# Altium PCB X98_CARRIER_V1R2_12082022.PcbDoc (part 9 of 10)
Units mm, origin at the board's own origin, x right, y up, seen from the top; angles counter-clockwise.
Board outline 100 x 72 mm, 4 copper layers (Top Layer, Layer 1, Layer 2, Bottom Layer), stack 1.543 mm thick; 772 components, 527 nets, 2344 pads, 1194 vias.
Unrouted connection lines stored in the file: 58.
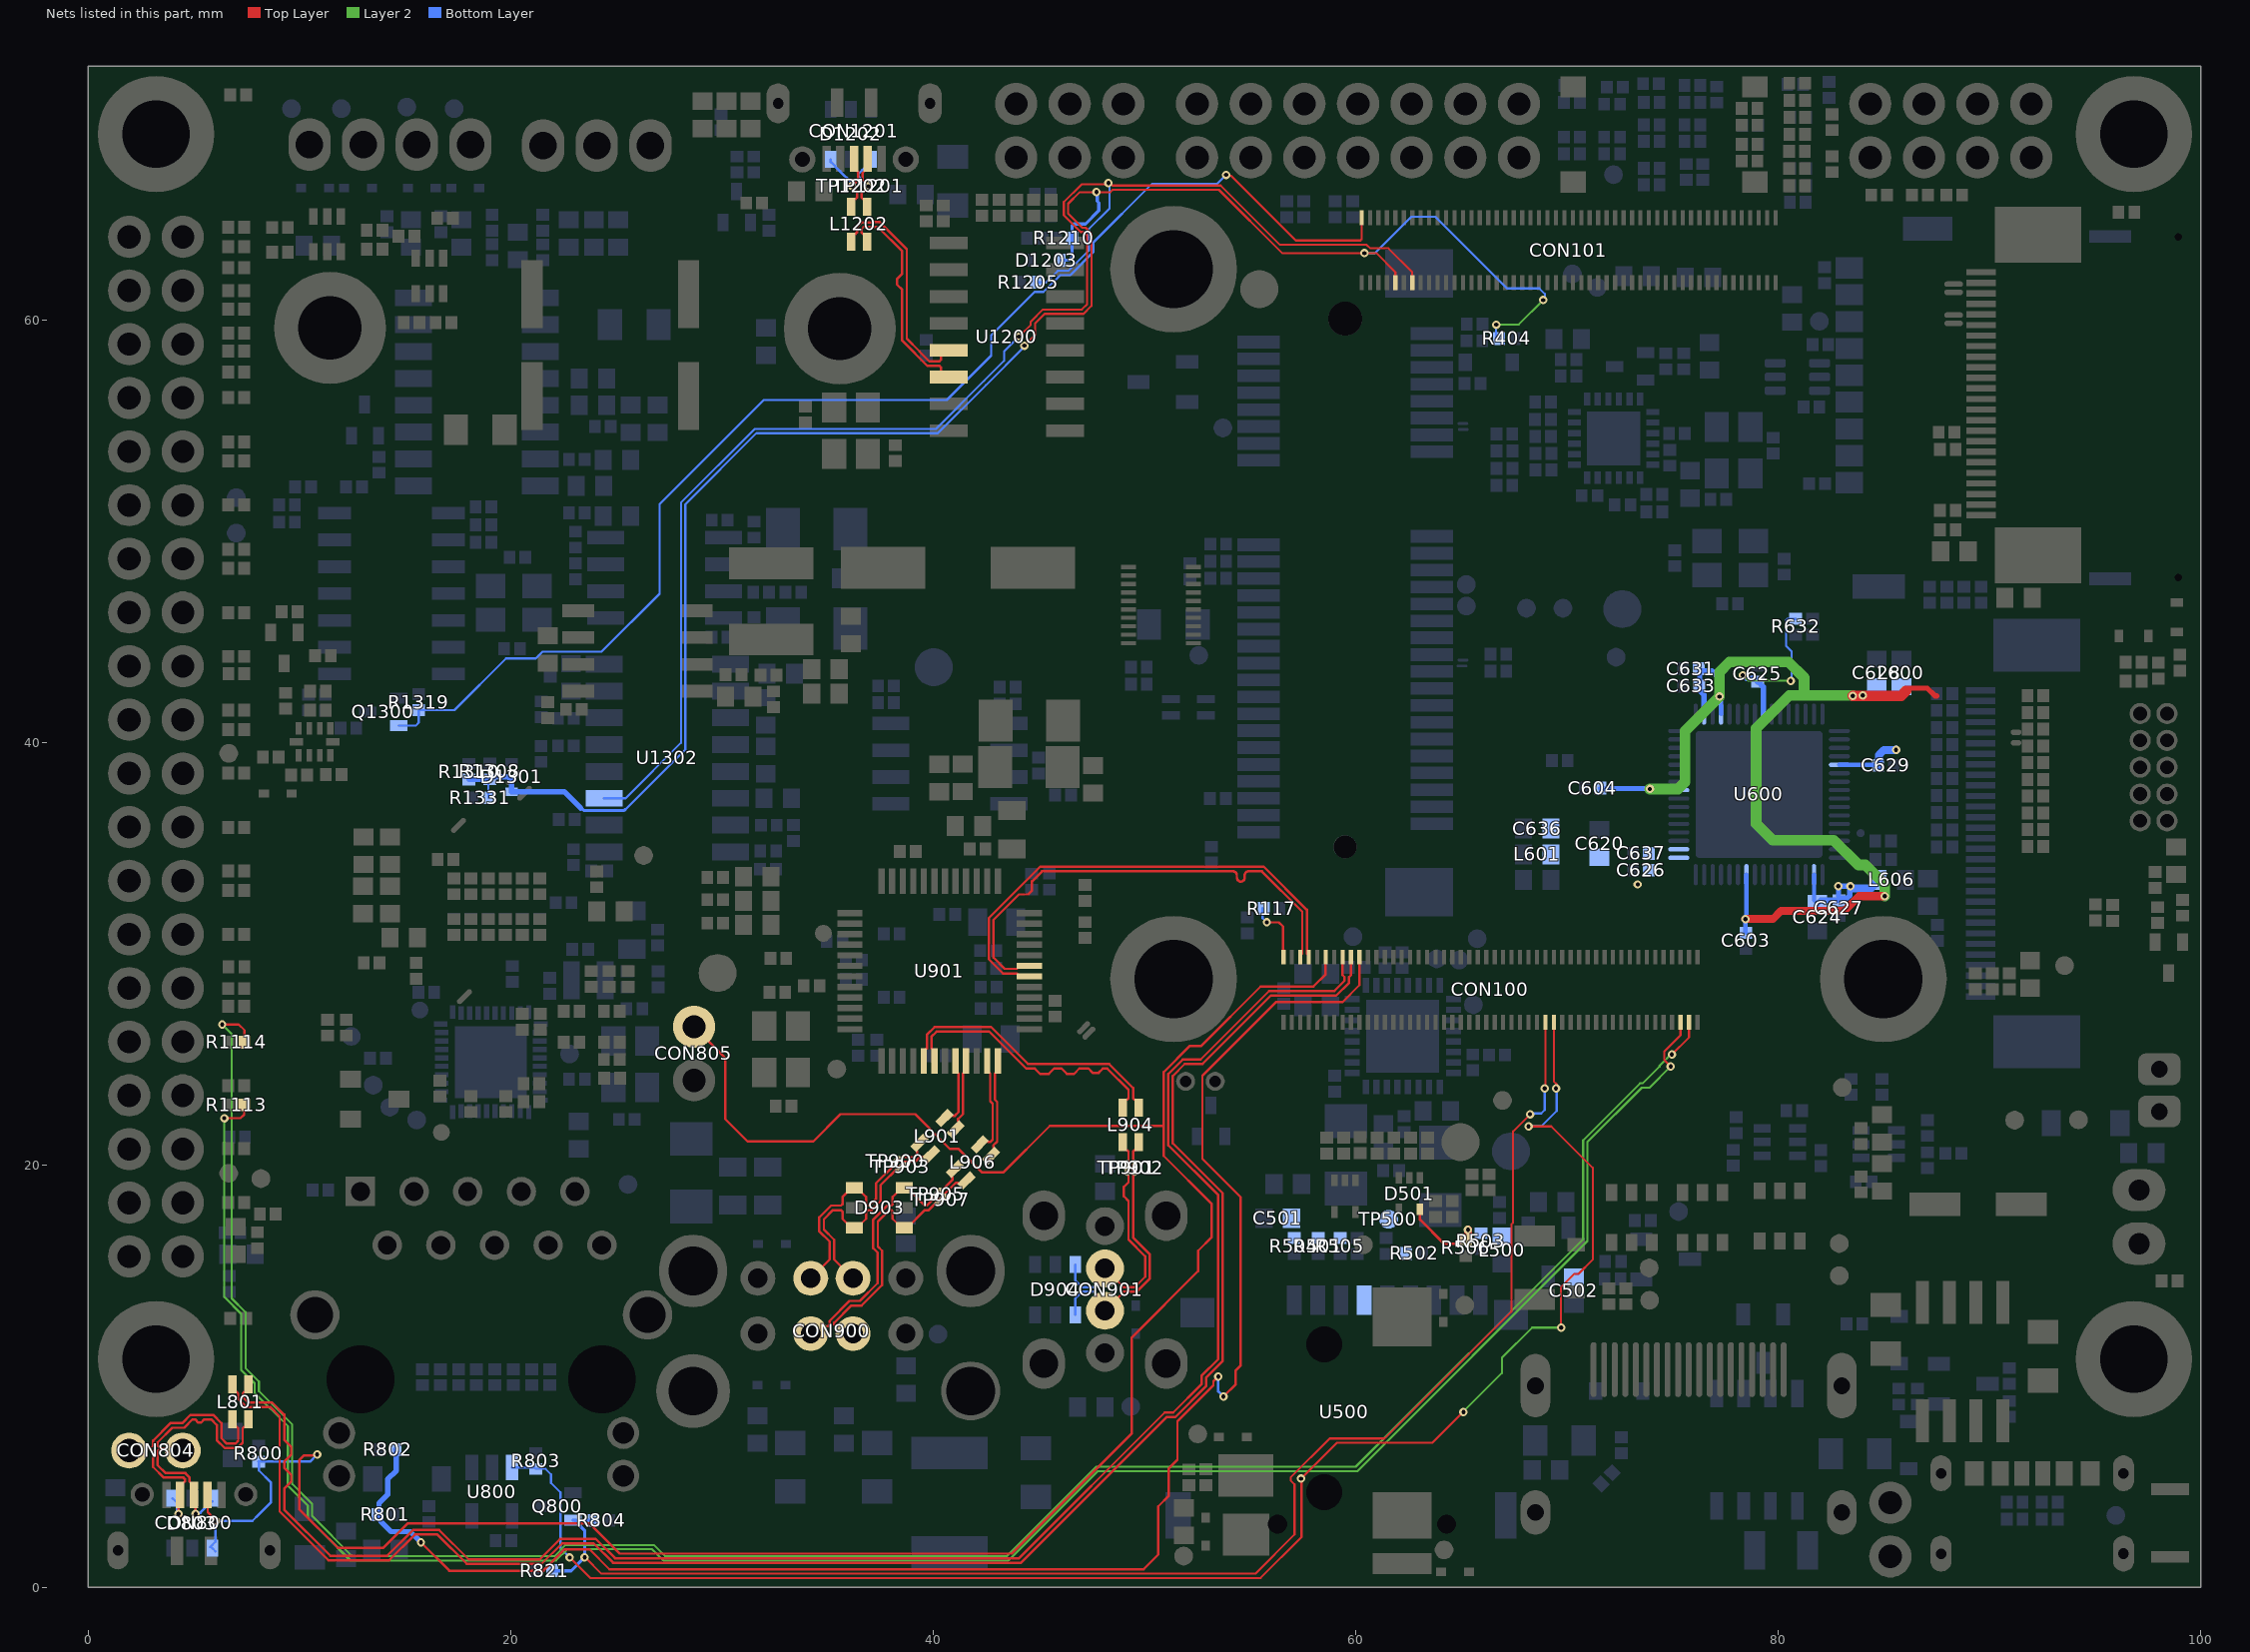
[diagram p11: the nets of this part, all layers, seen from the top]

## Via types
v1: diameter 0.4, hole 0.2, Top Layer to Bottom Layer, tented both sides, 1194 vias

## Nets (pads, with @x,y where several pads share a name; then routed paths per layer and width w, separated by ;. In a path a pad name is that pad's centre, name@x,y a point inside that pad or via, vN(x,y) a via of type N, cw(c..) or ccw(c..) an arc to the next point about the centre after c; other vN are vias at no path point) (continued)
UART3_RX_3V3: CON100.4 R1114.2 | length 106.9
  Top Layer w0.102: v1(6.337,26.647) 7.118,26.647 7.386,26.379 R1114.2@7.386,25.809 ; v1(74.967,25.224) 75.779,26.036 CON100.4@75.779,26.815
  Layer 2 w0.102: v1(6.337,26.647) 6.788,26.196 6.788,13.682 7.442,13.028 7.442,10.376 8.077,9.741 8.077,9.29 9.652,7.715 9.652,4.896 10.592,3.956 10.592,3.38 12.496,1.476 22.064,1.476 22.595,2.007 26.778,2.007 27.315,1.47 43.472,1.47 47.713,5.71 60,5.71 70.769,16.479 70.769,21.168 73.461,23.86 73.586,23.86 74.385,24.659 74.385,24.698 74.851,25.165 74.908,25.165 v1(74.967,25.224)
UART3_TX_3V3: CON100.6 R1113.2 | length 102.9
  Top Layer w0.102: v1(6.436,22.209) 7.204,22.209 7.375,22.381 R1113.2@7.375,22.838 ; v1(74.911,24.657) 74.606,24.962 74.606,25.361 75.379,26.134 CON100.6@75.379,26.815
  Layer 2 w0.102: v1(6.436,22.209) 6.436,13.747 7.239,12.944 7.239,10.292 7.874,9.657 7.874,9.206 9.449,7.631 9.449,4.812 10.389,3.872 10.389,3.296 12.414,1.27 12.802,1.27 ; 12.802,1.273 22.148,1.273 22.679,1.803 26.694,1.803 27.23,1.267 43.556,1.267 47.792,5.502 60.08,5.502 70.972,16.395 70.972,21.084 73.545,23.657 73.912,23.657 v1(74.911,24.657)
UART4_RXD: CON101.92 D1203.1 D1301.1 R404.2 R1210.1 R1308.1 R1310.2 R1331.1 | length 91
  Top Layer w0.102: v1(44.313,58.781) 44.82,59.287 44.82,59.838 45.269,60.287 47.117,60.287 47.488,60.657 47.488,64.092 47.213,64.366 47.057,64.366 46.387,65.036 46.387,65.497 46.94,66.049 47.611,66.049 v1@47.725,65.935 ; v1(47.725,66.049) v1@47.725,65.935 ; CON101.92@61.881,61.757 61.881,62.259 60.977,63.163 v1(60.417,63.163) 56.517,63.163 53.521,66.158 48.493,66.158 48.384,66.049 47.84,66.049 v1@47.725,65.935
  Layer 2 w0.102: v1(66.649,59.775) 66.658,59.785 67.725,59.785 v1(68.878,60.937)
  Bottom Layer w0.102: R1308.1@18.899,38.245 18.932,38.212 R1331.1@18.932,37.38 ; 25.358,36.754 28.261,39.657 28.261,51.269 31.627,54.634 40.213,54.634 42.488,56.909 44.313,58.735 v1(44.313,58.781) ; v1(60.417,63.163) 60.924,63.163 62.651,64.89 63.761,64.89 67.162,61.489 68.694,61.489 68.951,61.232 v1@68.951,60.928 ; v1(66.649,59.775) 66.649,59.141 R404.2@66.78,59.01
  Bottom Layer w0.152: 23.308,36.886 23.352,36.886 23.463,36.775 25.36,36.775 25.398,36.813 ; D1203.1@46.06,62.826 46.445,62.826 46.567,62.948 R1210.1@46.567,63.872 46.567,64.452 46.656,64.541 47.211,64.541 47.84,65.17 47.84,65.545 47.764,65.621 47.764,66.011 v1(47.725,66.049)
  Bottom Layer w0.254: R1310.2@18.024,38.239 18.03,38.245 R1308.1@18.899,38.245 ; R1308.1@18.999,38.25 19.115,38.366 19.887,38.366 20.036,38.217 D1301.1@20.036,37.666 22.528,37.666 23.308,36.886
UART4_TXD: CON101.88 R1205.2 U1302.11 | length 70.9
  Top Layer w0.102: v1(44.06,59.213) 44.616,59.77 44.616,59.922 45.185,60.49 47.033,60.49 47.284,60.741 47.284,64.008 47.129,64.163 46.972,64.163 46.184,64.952 46.184,65.581 47.025,66.423 48.248,66.423 v1@48.25,66.424 ; v1@48.228,66.402 48.228,66.413 v1(48.295,66.48) 48.375,66.48 48.493,66.361 53.605,66.361 56.412,63.555 60.523,63.555 60.692,63.386 61.552,63.386 62.679,62.259 CON101.88@62.679,61.757
  Bottom Layer w0.102: U1302.11@24.412,37.353 25.439,37.353 28.058,39.972 28.058,51.353 31.542,54.838 40.129,54.838 42.404,57.113 43.349,58.057 43.349,58.502 v1(44.06,59.213) ; R1205.2@44.876,61.78 44.883,61.773 45.347,61.773 45.896,62.323 46.399,62.323 47.366,63.29 47.366,64.299 48.348,65.281 48.348,66.426 v1(48.295,66.48)
UART_GPIO: CON101.99 Q1300.2 R1319.2 | length 62.4
  Top Layer w0.102: v1(53.86,66.866) 53.908,66.818 54.107,66.818 57.167,63.758 60.222,63.758 60.282,63.818 CON101.99@60.282,64.837
  Bottom Layer w0.102: Q1300.2@14.693,40.789 15.498,40.789 15.642,40.933 R1319.2@15.642,41.53 17.328,41.53 19.771,43.972 21.185,43.972 21.503,44.29 24.298,44.29 27.042,47.034 27.042,51.277 31.971,56.207 40.636,56.207 42.152,57.722 42.739,58.31 42.739,59.266 44.796,61.322 45.219,61.322 46.016,62.119 46.483,62.119 47.589,63.225 47.589,63.676 50.347,66.435 53.429,66.435 v1(53.86,66.866)
USB1_OTG'_N: CON800.2 CON804.1 D803.4 L801.3 | length 13.4
  Top Layer w0.114: CON804.1@1.88,6.579 2.921,6.579 ; v1(4.267,3.48) 4.267,4.242 CON800.2@4.293,4.267 ; CON800.2@4.35,4.375 4.35,4.8 4.567,5.017 4.567,5.128 4.5,5.194 4.164,5.194 3.568,5.194 3.061,5.702 3.061,6.439 2.921,6.579 ; L801.3@6.819,7.959 6.819,7.734 6.962,7.592 7.025,7.592 7.092,7.525 7.092,7.365 7.092,6.934 6.965,6.807 6.553,6.807 6.299,7.061 6.299,7.773 5.906,8.166 4.839,8.166 4.445,7.772 3.886,7.772 3.061,6.947 3.061,6.718 2.921,6.579
  Bottom Layer w0.114: D803.4@3.988,4.216 4.185,4.019 4.185,3.639 4.267,3.557 v1(4.267,3.48)
USB1_OTG'_P: CON800.3 CON804.2 D803.6 L801.2 | length 13.5
  Top Layer w0.114: CON804.2@4.394,6.579 3.404,6.579 ; CON800.3@5,4.375 5,4.8 4.783,5.017 4.783,5.217 4.59,5.41 4.075,5.41 3.658,5.41 3.277,5.791 3.277,6.452 3.404,6.579 ; v1(5.08,3.48) 5.08,4.089 CON800.3@5.105,4.115 ; L801.2@7.581,7.959 7.581,7.734 7.438,7.592 7.375,7.592 7.308,7.525 7.308,7.276 7.308,6.845 7.054,6.591 6.464,6.591 6.083,6.972 6.083,7.683 5.817,7.95 5.486,7.95 5.334,7.798 5.207,7.798 5.055,7.95 4.928,7.95 4.534,7.557 3.976,7.557 3.277,6.858 3.277,6.706 3.404,6.579
  Bottom Layer w0.114: v1(5.08,3.48) 5.135,3.534 5.303,3.534 5.832,4.064 D803.6@5.867,4.064
USB1_OTG_ID: CON100.89 CON800.4 CON805.1 D803.1 R800.1 | length 116.5
  Top Layer w0.114: CON800.4@5.65,4.375 5.65,3.556 6.071,3.135 v1@6.071,3.124 ; v1@10.82,6.248 10.211,6.248 9.982,6.02 9.982,3.708 11.811,1.88 13.97,1.88 15.126,3.035 23.711,3.035 25.146,1.6 43.713,1.6 49.403,7.29 49.403,11.836 52.539,14.972 52.539,15.937 53.188,16.586 53.188,18.146 50.909,20.425 50.909,21.844 ; v1@10.834,6.248 v1@10.834,6.286 ; CON805.1@29.134,26.518 29.134,26.086 30.15,25.07 30.15,22.174 31.217,21.107 34.315,21.107 35.611,22.403 39.141,22.403 40.792,20.752 41.199,20.752 42.295,19.656 43.329,19.656 45.517,21.844 50.909,21.844 ; CON100.89@58.579,29.837 58.579,29.027 57.997,28.445 55.494,28.445 52.687,25.638 52.157,25.638 50.909,24.39 50.909,21.844
  Bottom Layer w0.114: D803.1@5.766,1.905 6.02,2.159 6.02,3.124 v1(6.045,3.15) 7.77,3.15 8.064,3.444 8.071,3.444 8.636,4.009 8.636,4.978 8.077,5.537 R800.1@8.077,5.944 ; D803.1@5.867,1.854 D803.1@6.02,1.702 ; R800.1@8.057,5.955 10.5,5.955 v1@10.818,6.274
  other v1: 10.834,6.29
USB1_OTG_N: CON100.83 L801.4 | length 85.2
  Top Layer w0.114: L801.4@6.819,9.61 6.819,9.385 6.962,9.243 7.025,9.243 7.092,9.176 7.092,8.927 7.476,8.543 8.602,8.543 9.055,8.089 9.055,3.594 11.366,1.283 14.237,1.283 15.456,2.502 16.522,2.502 17.913,1.111 21.457,1.111 22.428,2.083 23.927,2.083 24.845,1.165 44.154,1.165 51.047,8.058 51.452,8.058 52.915,9.521 52.915,9.926 53.708,10.719 53.708,18.654 51.34,21.021 51.34,24.211 51.904,24.774 52.747,24.774 55.986,28.013 59.076,28.013 59.687,28.624 59.687,28.892 59.779,28.985 CON100.83@59.779,29.837
USB1_OTG_P: CON100.85 L801.1 | length 85
  Top Layer w0.114: L801.1@7.581,9.61 7.581,9.385 7.438,9.243 7.375,9.243 7.308,9.176 7.308,9.016 7.565,8.759 8.691,8.759 9.271,8.179 9.271,6.985 9.601,6.655 9.601,6.274 9.271,5.944 9.271,5.74 9.271,5.664 9.601,5.334 9.601,5.004 9.271,4.674 9.271,3.683 11.455,1.499 14.147,1.499 15.367,2.718 16.612,2.718 18.002,1.327 21.367,1.327 22.339,2.299 24.016,2.299 24.934,1.381 44.065,1.381 50.958,8.274 51.362,8.274 52.699,9.611 52.699,10.015 53.492,10.808 53.492,18.565 51.125,20.932 51.125,24.3 51.814,24.99 52.658,24.99 55.897,28.229 58.987,28.229 59.471,28.713 59.471,28.892 59.379,28.985 CON100.85@59.379,29.837
USB1_OTG_VBUS_DETECT: CON100.81 R801.1 R802.2 | length 80.2
  Top Layer w0.114: v1(15.745,2.133) 15.745,2.128 17.085,0.788 21.539,0.788 22.555,1.803 23.724,1.803 24.67,0.857 49.955,0.857 50.648,1.549 50.648,3.835 51.156,4.343 51.156,5.639 51.562,6.045 51.562,7.864 53.264,9.565 53.264,9.754 v1(53.492,9.982) ; v1(53.74,9.031) 54.323,9.614 54.323,10.267 54.559,10.503 54.559,18.466 52.74,20.285 52.74,24.229 56.217,27.705 59.372,27.705 60.179,28.512 CON100.81@60.179,29.837
  Bottom Layer w0.114: v1(53.492,9.982) 53.492,9.279 v1(53.74,9.031)
  Bottom Layer w0.254: R802.2@14.554,6.523 14.58,6.497 14.58,5.524 14.168,5.113 14.168,4.389 13.762,3.983 13.762,3.52 R801.1@13.689,3.446 13.841,3.294 13.841,3.136 14.337,2.64 15.239,2.64 v1(15.745,2.133)
USB1D'_N: CON900.6 D903.3 L906.1 TP905.1 | length 13.4
  Top Layer w0.114: CON900.6@34.2,12.01 34.616,12.01 34.971,12.365 35.025,12.365 35.092,12.432 35.092,12.616 36.035,13.559 36.52,13.559 37.363,14.402 37.363,15.849 37.16,16.053 37.16,17.412 37.824,18.076 38.008,18.076 38.075,18.143 38.075,18.484 38.508,18.918 D903.3@38.633,18.918 38.758,18.918 39.599,18.078 39.693,18.078 40.185,18.569 40.917,19.302 40.917,19.396 40.872,19.441 40.872,19.643 L906.1@41.031,19.802
USB1D'_P: CON900.7 D903.1 L906.4 TP907.1 | length 13.2
  Top Layer w0.114: CON900.7@36.2,12.01 35.784,12.01 35.429,12.365 35.375,12.365 35.308,12.432 35.308,12.527 36.125,13.344 36.61,13.344 37.579,14.313 37.579,15.939 37.376,16.142 37.376,17.323 37.913,17.86 38.008,17.86 38.075,17.793 38.075,17.452 38.508,17.018 D903.1@38.633,17.018 38.758,17.018 39.601,17.86 39.78,17.86 41.07,19.149 41.164,19.149 41.209,19.105 41.411,19.105 L906.4@41.57,19.264
USB1DP_N: L906.2 U901.23 | length 4.6
  Top Layer w0.114: L906.2@42.199,20.97 42.358,21.129 42.56,21.129 42.605,21.084 42.699,21.084 42.812,21.197 42.812,22.894 42.697,23.01 42.697,24.331 42.555,24.473 U901.23@42.555,24.923
USB1DP_P: L906.3 U901.24 | length 4.8
  Top Layer w0.114: L906.3@42.738,20.431 42.897,20.59 42.897,20.792 42.852,20.837 42.852,20.932 43.028,21.107 43.028,22.984 42.913,23.099 42.913,24.331 43.055,24.473 U901.24@43.055,24.923
USB2_OTG_ID: CON100.99 R117.1 | length 3.1
  Top Layer w0.114: v1(55.793,31.481) 56.365,31.481 56.565,31.28 56.565,30.183 56.579,30.169 CON100.99@56.579,29.837
  Bottom Layer w0.102: R117.1@55.591,32.164 R117.1@55.619,32.136
  Bottom Layer w0.114: R117.1@55.591,32.164 55.591,31.683 v1(55.793,31.481)
USB2_UP_N: CON100.93 U901.30 | length 23.4
  Top Layer w0.114: U901.30@44.555,28.923 44.105,28.923 43.963,29.065 43.299,29.065 42.634,29.73 42.634,31.687 45.06,34.112 55.651,34.112 57.687,32.077 57.687,30.196 57.687,30.017 57.779,29.925 CON100.93@57.779,29.837
USB2_UP_P: CON100.95 U901.31 | length 23.2
  Top Layer w0.114: U901.31@44.555,29.423 44.105,29.423 43.963,29.281 43.389,29.281 42.85,29.82 42.85,31.598 44.056,32.804 44.488,32.804 44.679,32.995 44.679,33.426 45.149,33.897 53.766,33.897 54.191,33.897 cw(c54.191,33.713) 54.375,33.713 54.375,33.595 ccw(c54.559,33.595) 54.559,33.41 ccw(c54.559,33.595) 54.743,33.595 54.743,33.713 cw(c54.927,33.713) 54.927,33.897 55.291,33.897 55.562,33.897 57.471,31.987 57.471,30.285 57.471,30.017 57.379,29.925 CON100.95@57.379,29.837
USB2D'_N: CON900.2 D903.4 L901.3 TP900.1 | length 11.5
  Top Layer w0.114: CON900.2@34.2,14.63 35.092,15.522 35.092,16.368 34.608,16.852 34.608,17.518 35.166,18.076 35.476,18.076 35.638,18.076 35.705,18.143 35.705,18.484 36.138,18.918 D903.4@36.263,18.918 36.388,18.918 36.822,18.484 36.822,18.143 36.889,18.076 36.984,18.076 37.287,18.38 37.287,19.126 38.224,20.063 38.532,20.371 39.065,20.371 39.241,20.547 39.241,20.641 39.196,20.686 39.196,20.888 L901.3@39.355,21.047
USB2D'_P: CON900.3 D903.6 L901.2 TP903.1 | length 11.3
  Top Layer w0.114: CON900.3@36.2,14.63 35.308,15.522 35.308,16.457 34.823,16.942 34.823,17.428 35.255,17.86 35.387,17.86 35.638,17.86 35.705,17.793 35.705,17.452 36.138,17.018 D903.6@36.263,17.018 36.388,17.018 36.822,17.452 36.822,17.793 36.889,17.86 37.073,17.86 37.503,18.29 37.503,19.037 38.368,19.901 38.621,20.155 39.154,20.155 39.393,20.394 39.488,20.394 39.533,20.349 39.735,20.349 L901.2@39.894,20.508
USB2DP_N: L901.4 U901.20 | length 3.3
  Top Layer w0.114: L901.4@40.523,22.215 40.682,22.374 40.884,22.374 40.929,22.329 41.023,22.329 41.197,22.503 41.197,24.331 41.055,24.473 U901.20@41.055,24.923
USB2DP_P: L901.1 U901.21 | length 3.5
  Top Layer w0.114: L901.1@41.061,21.676 41.22,21.835 41.22,22.037 41.176,22.082 41.176,22.176 41.413,22.413 41.413,24.331 41.555,24.473 U901.21@41.555,24.923
USB3DP'_N: CON901.2 D904.1 L904.4 TP902.1 | length 12.6
  Top Layer w0.114: CON901.2@48.13,13.1 49.022,13.992 49.629,13.992 50.254,14.617 50.254,15.761 49.46,16.555 49.46,20.635 49.527,20.701 49.59,20.701 49.733,20.844 L904.4@49.733,21.069
  Bottom Layer w0.114: D904.1@46.723,12.907 46.723,13.669 47.046,13.992 47.507,13.992 47.602,13.992 48.13,13.464 CON901.2@48.13,13.1
USB3DP'_P: CON901.3 D904.6 L904.1 TP901.1 | length 12.4
  Top Layer w0.114: CON901.3@48.13,15.1 49.022,14.208 49.539,14.208 50.038,14.707 50.038,15.671 49.244,16.465 49.244,18.294 49.022,18.517 49.022,18.955 49.244,19.177 49.244,20.635 49.177,20.701 49.114,20.701 48.971,20.844 L904.1@48.971,21.069
  Bottom Layer w0.114: D904.6@46.723,15.277 46.723,14.531 47.046,14.208 47.418,14.208 47.602,14.208 48.13,14.736 CON901.3@48.13,15.1
USB3DP_N: L904.3 U901.17 | length 13.5
  Top Layer w0.114: U901.17@39.555,24.923 39.555,25.373 39.697,25.515 39.697,26.159 40.068,26.53 42.736,26.53 44.489,24.778 48.324,24.778 49.46,23.641 49.46,23.155 49.527,23.088 49.59,23.088 49.733,22.945 L904.3@49.733,22.72
USB3DP_P: L904.2 U901.18 | length 13.4
  Top Layer w0.114: U901.18@40.055,24.923 40.055,25.373 39.913,25.515 39.913,26.07 40.157,26.314 42.647,26.314 44.399,24.562 44.806,24.562 45.06,24.308 45.466,24.308 45.72,24.562 46.076,24.562 46.33,24.308 46.66,24.308 46.914,24.562 47.346,24.562 47.549,24.359 47.828,24.359 48.031,24.562 48.235,24.562 49.244,23.552 49.244,23.155 49.177,23.088 49.114,23.088 48.971,22.945 L904.2@48.971,22.72
USB_DEBUG'_N: CON1201.2 D1202.4 L1202.3 TP1201.1 | length 4.4
  Top Layer w0.114: L1202.3@36.876,65.36 36.876,65.585 36.733,65.728 36.669,65.728 36.603,65.795 36.603,65.993 36.933,66.324 v1(36.933,66.328) 36.933,66.352 36.653,66.632 36.653,66.953 36.9,67.2 CON1201.2@36.9,67.625
  Bottom Layer w0.114: v1(36.933,66.328) 36.449,66.812 36.449,66.906 36.638,67.096 36.8,67.257 36.831,67.257 36.947,67.374 D1202.4@36.947,67.506
USB_DEBUG'_P: CON1201.3 D1202.6 L1202.2 TP1202.1 | length 4.4
  Top Layer w0.114: L1202.2@36.114,65.36 36.114,65.585 36.257,65.728 36.32,65.728 36.387,65.795 36.387,66.111 36.171,66.326 36.171,66.349 36.437,66.615 36.437,67.013 36.25,67.2 CON1201.3@36.25,67.625
  Bottom Layer w0.114: D1202.6@35.149,67.6 35.149,67.475 35.582,67.041 36.117,66.507 36.117,66.382 v1(36.171,66.328)
USB_DEBUG_N: L1202.4 U1200.6 | length 10.7
  Top Layer w0.114: L1202.4@36.876,63.709 36.876,63.934 36.733,64.077 36.669,64.077 36.603,64.144 36.603,64.303 36.701,64.402 37.384,64.402 38.531,63.255 38.531,62.246 38.531,62.189 38.277,61.935 38.277,61.681 38.531,61.427 38.531,61.14 38.531,59.026 39.134,58.423 39.134,58.415 39.727,57.822 40.293,57.822 40.36,57.755 40.36,57.537 40.603,57.294 U1200.6@40.732,57.294
USB_DEBUG_P: L1202.1 U1200.5 | length 10.8
  Top Layer w0.114: L1202.1@36.114,63.709 36.114,63.934 36.257,64.077 36.32,64.077 36.387,64.144 36.387,64.392 36.612,64.617 37.159,64.617 37.168,64.627 37.464,64.627 38.747,63.344 38.747,61.09 38.747,60.252 38.747,59.115 39.349,58.513 39.349,58.505 39.817,58.037 40.293,58.037 40.36,58.104 40.36,58.322 40.603,58.564 U1200.5@40.732,58.564
USB_OTG_OC: CON100.36 R803.2 U800.3 | length 78.7
  Top Layer w0.102: v1(22.789,1.416) 23.761,0.445 55.502,0.445 57.435,2.377 57.435,5.13 v1(57.414,5.15) v1@57.414,5.217 ; v1@57.424,5.217 57.482,5.217 59.107,6.843 63.622,6.843 65.085,8.306 v1(65.1,8.306) ; v1(68.181,21.823) 69.261,21.823 71.222,19.863 71.222,15.518 70.54,14.837 70.334,14.837 69.723,14.226 v1(69.723,12.294) ; CON100.36@69.379,26.815 69.379,23.954 69.514,23.82
  Layer 2 w0.102: v1(65.1,8.306) 65.1,8.321 66.92,10.141 66.92,10.863 68.35,12.294 v1(69.723,12.294) 69.774,12.294 v1@69.799,12.319
  Bottom Layer w0.102: U800.3@20.057,5.678 21.117,5.678 R803.2@21.185,5.61 21.642,5.61 21.906,5.345 21.906,4.941 22.352,4.496 22.352,1.853 v1(22.789,1.416) ; v1(68.181,21.823) 68.788,21.823 69.514,22.549 69.514,23.587 v1(69.483,23.617)
USB_OTG_POWER: CON100.38 Q800.2 R804.1 R821.2 | length 70.6
  Top Layer w0.102: v1(23.495,1.422) 23.52,1.422 24.295,0.648 55.251,0.648 57.106,2.503 57.106,4.881 56.922,5.064 56.922,5.196 58.773,7.046 61.359,7.046 67.368,13.055 67.368,17.184 67.451,17.267 67.451,21.591 v1(68.256,22.396) ; v1(68.947,23.617) 68.947,23.643 68.979,23.675 CON100.38@68.979,26.815
  Bottom Layer w0.102: v1(68.256,22.396) 68.296,22.436 68.782,22.436 68.947,22.601 v1(68.947,23.617)
  Bottom Layer w0.152: R821.2@21.965,0.787 22.86,0.787 v1@23.47,1.397 ; Q800.2@22.942,3.185 Q800.2@23.012,3.185 ; v1(23.495,1.422) 23.495,2.702 Q800.2@23.012,3.185 ; R804.1@23.952,3.124 23.892,3.185 Q800.2@23.012,3.185
VCCA_1V8: C603.1 C604.1 C628.1 C629.1 C631.1 C633.1 L600.2 U600.5 U600.26 U600.41 U600.50 U600.52 | length 56.5
  Top Layer w0.254: 86.05,42.432 86.186,42.568 87.057,42.568 87.422,42.203 87.498,42.203
  Top Layer w0.381: v1(78.45,31.637) 79.751,31.637 80.132,32.018 83.129,32.018 83.833,32.722 v1(85.045,32.722)
  Top Layer w0.508: v1(83.536,42.203) 85.822,42.203 86.05,42.432
  Layer 2 w0.508: v1(73.928,37.796) 75.259,37.796 75.585,38.122 75.585,40.535 v1(77.217,42.167) 77.217,43.322 77.698,43.803 80.482,43.803 81.224,43.061 81.224,42.229 ; v1@83.536,42.219 82.859,42.219 82.85,42.229 81.224,42.229 ; v1(85.045,32.722) 85.045,33.281 84.343,33.983 84.13,34.195 83.801,34.195 82.624,35.372 79.739,35.372 78.959,36.151 78.959,40.663 80.525,42.229 81.224,42.229
  Bottom Layer w0.203: v1@77.295,42.035 U600.52@77.297,41.339 U600.52@77.297,41.339 ; C603.1@78.476,30.981 78.45,31.008 v1(78.45,31.637) 78.45,31.69 78.497,31.737 U600.26@78.497,33.739 ; U600.5@82.897,38.939 84.742,38.939 C629.1@84.78,38.901
  Bottom Layer w0.254: C604.1@71.586,37.83 71.603,37.813 73.911,37.813 v1(73.928,37.796) 73.985,37.739 U600.41@75.297,37.739 ; U600.50@76.497,41.339 76.497,42.241 76.285,42.453 76.285,43.393 76.851,43.393 77.217,43.027 v1(77.217,42.167)
  Bottom Layer w0.381: C629.1@84.78,38.901 84.78,39.409 85.016,39.645 85.578,39.645 v1(85.582,39.648)
  other v1: 84.007,42.219
VCCA_HDMIPLL: C620.2 C636.1 C637.1 L601.2 U600.34
VDD_1V8_HDMI: C624.1 C625.1 C626.1 C627.1 L606.2 R632.2 U600.18 U600.33 U600.57 | length 14.6
  Layer 2 w0.102: v1(78.322,43.181) 78.589,42.914 80.586,42.914 v1(80.595,42.905)
  Bottom Layer w0.102: v1(80.595,42.905) 80.632,42.941 80.632,44.313 80.378,44.567 80.378,45.783 80.437,45.843 R632.2@80.853,45.843
  Bottom Layer w0.203: U600.18@81.697,33.739 81.697,32.53 C624.1@81.857,32.371
  Bottom Layer w0.254: v1(78.322,43.181) 78.361,43.181 78.519,43.023 78.871,43.023 C625.1@79.023,42.871 79.049,42.871 79.297,42.623 U600.57@79.297,41.339 ; C624.1@81.857,32.371 82.012,32.526 C627.1@82.875,32.526 82.86,32.541 82.86,33.177 v1@82.847,33.19 ; v1(82.844,33.193) v1@82.847,33.19 ; C627.1@82.977,32.627 83.26,32.627 83.397,32.765 v1@83.397,33.159 ; v1(83.425,33.186) 83.422,33.19 v1@82.847,33.19
  Bottom Layer w0.381: v1(83.425,33.186) 83.43,33.186 83.52,33.096 84.388,33.096 84.722,33.43 L606.2@84.722,33.494
  other v1: 73.353,33.277
VDD_SD_CARD: C501.1 C502.1 D501.5 L500.2 R501.2 R502.2 R503.2 R504.2 R505.2 R506.2 TP500.1 U500.4 | length 3.9
  Top Layer w0.127: D501.5@63.04,17.893 63.04,17.403 64.177,16.266 65.171,16.266 R506.2@65.318,16.413 ; R506.2@65.185,16.472 R506.2@65.214,16.444
  Top Layer w0.381: R506.2@65.318,16.413 65.314,16.417 65.314,16.929 v1(65.318,16.933)
pads on no net: CON101.98 CON200.0 CON300. CON300.2 CON400.4 CON400.6 CON400.8 CON401.0 CON401.3 CON401.5 CON401.16 CON401.17 CON401.19 CON401.45 CON401.47 CON401.49 CON401.51 CON401.M1 CON401.M2 CON700.22 CON1201.4 D403.0 D601.3 D601.5 D602.5 D603.5 D803.3 D803.5 D903.5 D904.3 D904.4 D904.5 D1202.1 D1202.3 D1202.5 FD100.FD-1 FD101.FD-1 FD102.FD-1 FD103.FD-1 FD104.FD-1 FD105.FD-1 U200.4 U200.8 U200.9 U200.17 U200.19 U200.22 U200.28 U500.0@56.3,3 U500.0@64.3,3 U600.15 U600.16 U600.19 U600.20 U802.7 U901.2 U901.4 U901.43 U901.44 U901.45 U901.46 U901.47 U1100.2 U1100.6 U1100.7 U1101.3 U1101.7 U1200.9 U1200.10 U1200.11 U1200.12 U1200.13 U1200.14 U1200.15 U1300.3

## Polygon pours and split planes (outlines as drawn)
GND on Top Layer "GND_L01_P404" (solid, remove dead copper, pour order 404): 0.108,71.976 100.438,71.976 100.438,-0.16 0.108,-0.16
CHASIS on Top Layer "NONET_L-01_P-001" (solid, remove dead copper, pour order 416): 8.585,13.995 9.144,14.554 28.702,14.554 30.531,12.725 30.531,5.639 27.737,2.845 10.465,2.845 8.585,4.724
3V3_CON on Top Layer "3V3_CON_L01_P354" (solid, pour order 354): 90.495,29.432 90.495,28.67 91.384,28.67 91.384,29.178 92.4,29.178 92.4,30.321 91.44,30.321 91.44,30.829 90.368,30.829 90.368,30.194 90.876,30.194 90.876,29.432
+3.3V_VDD on Top Layer "+3.3V_VDD_L01_P350" (solid, pour order 350): 13.905,36.311 16.093,36.311 19.248,39.472 19.248,43.783 21.28,43.783 21.28,49.625 28.773,49.625 28.773,51.276 29.916,51.276 29.916,53.87 17.072,53.87 13.716,50.514 13.716,37.846 8.001,32.084 8.001,22.134 10.612,22.134 11.328,22.134 11.328,23.292 10.49,24.13 10.49,29.87 12.192,31.572 12.192,34.569 12.711,35.117
+3.3V_EXT on Top Layer "Top Layer-+3.3V_EXT" (solid, pour order 4): 35.124,43.947 39.188,43.947 42.109,46.868 46.427,46.868 47.062,47.503 48.586,49.027 50.11,49.027 50.491,48.646 53.285,48.646 53.285,46.868 54.301,46.868 54.301,50.792 40.585,50.792 40.585,47.757 38.045,45.217 35.124,45.217
+3.3V_EXT on Top Layer "+3.3V_EXT_L01_P000" (solid, pour order 0): 83.82,51.562 85.852,51.562 85.852,51.054 87.376,49.53 88.392,49.53 88.392,48.514 88.646,48.514 88.646,47.752 88.138,47.752 87.122,48.768 87.122,49.022 85.852,50.292 83.82,50.292
+5V on Top Layer "Top Layer-+5V" (solid, remove dead copper, pour order 318): 33.63,41.267 33.993,41.631 35.56,41.631 35.919,41.983 36.514,42.578 36.514,43.292 36.514,43.927 38.8,43.927 38.783,43.249 37.911,42.276 35.174,39.421 19.369,39.421 19.379,42.059 19.379,43.71 19.38,49.513 22.684,49.513 26.885,49.513 26.885,51.787 25.493,51.787 25.493,52.777 28.617,52.777 28.617,48.104 24.832,48.104 24.832,47.316 24.83,45.705 24.331,45.705 24.325,41.637 24.695,41.267
+3.3V_VDD on Top Layer "+3.3V_VDD_L01_P320" (solid, pour order 320): 76.14,63.902 76.14,62.632 74.489,62.632 74.489,63.267 74.87,63.267 74.87,63.902
+VIN_USB on Top Layer "+VIN_USB_L01_P384" (solid, pour order 384): 88.988,9.166 91.528,9.166 91.528,10.69 93.56,10.69 93.56,6.626 94.068,6.626 94.068,4.594 93.052,4.594 93.052,6.118 91.02,6.118 91.02,4.594 90.004,4.594 90.004,6.118 88.988,6.118
PGND on Top Layer "PGND_L01_P317" (solid, pour order 317): 19.392,59.988 19.392,55.648 18.884,55.648 18.884,53.87 19.793,53.87 29.064,53.87 29.064,59.204 22.462,59.204 21.678,59.988
+5V on Top Layer "Top Layer-+5V 1" (solid, pour order 403): 82.13,12.214 86.448,12.214 86.448,16.278 89.242,16.278 89.242,19.072 84.328,19.072 84.328,18.691 82.765,18.691 82.765,18.056 83.908,18.056 83.908,17.04 82.13,17.04
NetD801_K on Top Layer "NETD801_K_L01_P392" (solid, pour order 392): 87.21,11.96 87.21,16.278 91.528,16.278 91.528,11.96 89.75,11.96 89.75,14.5 88.988,14.5 88.988,11.96
NetL803_2 on Top Layer "NETL803_2_L01_P386" (solid, pour order 386): 91.528,12.976 93.56,12.976 93.56,10.69 91.528,10.69 91.528,9.166 88.734,9.166 88.734,6.626 84.353,6.626 84.353,12.456 91.528,12.456
+5V on Top Layer "+5V_L01_P001" (solid, pour order 1): 90.241,30.067 90.876,30.067 90.876,29.432 90.495,29.432 90.495,28.67 89.733,28.67 89.733,29.559 89.733,30.067
+3.3V_EXT on Top Layer "Top Layer-+3.3V_EXT 1" (solid, pour order 10): 11.15,36.089 13.646,38.757 12.915,39.352 10.922,37.359 7.052,37.359 6.925,37.486 3.373,37.486 3.373,36.089 3.373,34.583 5.659,34.583 5.659,36.089
GND on Top Layer "NONET_L-01_P-001" (solid, pour order 383): 35.124,49.789 40.458,49.789 40.585,49.662 40.585,47.376 39.696,46.487 39.061,46.487 37.664,46.487 37.283,46.868 35.124,46.868
+1.5V_VDD on Top Layer "+1.5V_VDD_L01_P011" (solid, pour order 11): 72.938,65.219 73.319,65.219 73.319,62.806 72.938,62.806 72.938,61.282 72.557,61.282 72.557,63.314 72.938,63.314
VCCA_1V8 on Top Layer "VCCA_1V8_L01_P189" (solid, pour order 189): 85.249,39.998 85.249,39.155 87.885,39.155 88.144,39.414 88.144,42.005 87.535,42.614 83.379,42.614 83.379,42.033 84.718,42.033 84.893,42.208 86.315,42.208 86.373,42.15 87.002,42.15 87.506,41.646 87.506,39.998
NetL804_1 on Top Layer "NONET_L-01_P-001" (solid, pour order 7): 27.377,45.598 30.171,45.598 30.171,47.249 30.298,47.376 34.489,47.376 34.489,49.408 28.774,49.408 28.774,46.995 27.377,46.995
NetC804_1 on Top Layer "NONET_L-01_P-001" (solid, pour order 373): 30.171,43.82 34.87,43.82 34.87,45.217 37.029,45.217 37.029,46.487 30.171,46.487
+1.8V_VDD on Top Layer "+1.8V_VDD_L01_P368" (solid, pour order 368): 88.463,29.432 89.733,29.432 89.733,28.67 88.463,28.67
+3.3V_EXT on Top Layer "+3.3V_EXT_L01_P359" (solid, pour order 359): 93.035,28.924 93.035,29.94 94.051,29.94 94.051,28.162 93.162,28.162 93.162,27.908 91.384,27.908 91.384,28.924
+1.8V_VDD on Top Layer "+1.8V_VDD_L01_P319" (solid, pour order 319): 73.727,63.902 74.87,63.902 74.87,63.267 74.489,63.267 74.489,62.632 73.346,62.632 73.346,63.394 73.727,63.394
3V3_CAM on Top Layer "3V3_CAM_L01_P271" (solid, pour order 271): 88.051,50.412 88.051,49.701 88.813,49.701 88.813,46.677 89.194,46.296 91.353,46.296 91.353,47.439 89.575,47.439 89.575,50.564 90.464,50.564 90.464,50.923 88.813,50.923 88.813,50.412
+5V on Top Layer "+5V_L01_P348" (solid, pour order 348): 78.553,61.362 80.077,61.362 80.077,59.965 78.553,59.965
GND on Top Layer "GND_L01_P346" (solid, pour order 346): 76.267,61.362 78.426,61.362 78.426,60.219 76.267,60.219
+3.3V_VDD on Top Layer "+3.3V_VDD_L01_P327" (solid, pour order 327): 74.616,61.362 76.14,61.362 76.14,60.092 74.616,60.092
+1.8V_VDD on Top Layer "+1.8V_VDD_L01_P323" (solid, pour order 323): 74.489,61.362 74.489,60.092 73.346,60.092 73.346,61.362
+5V on Top Layer "+5V_L01_P322" (solid, pour order 322): 78.426,63.902 80.077,63.902 80.077,62.632 78.426,62.632
GND on Top Layer "GND_L01_P321" (solid, pour order 321): 78.426,63.902 78.426,62.632 76.14,62.632 76.14,63.902
NetC216_1 on Top Layer "NETC216_1_L01_P298" (solid, pour order 298): 20.487,62.828 29.25,62.828 29.25,58.891 21.505,58.891 21.505,59.653 20.487,59.653
+3.3V_VDD on Layer 2 "Layer 2-+3.3V_VDD" (solid, pour order 378): 32.202,20.772 32.182,20.749 51.65,20.749 51.65,17.928 64.837,17.928 64.837,22.373 64.837,34.819 50.359,34.819 50.359,61.362 74.616,61.362 74.616,59.457 76.267,59.457 76.267,66.765 46.803,66.765 46.803,31.845 45.791,31.845 45.791,24.024 32.202,24.024
GND on Layer 2 "GND_L03_P407" (solid, remove dead copper, pour order 407): 0.181,71.97 100.511,71.97 100.511,-0.166 0.181,-0.166
+1.8V_VDD on Layer 2 "+1.8V_VDD_L03_P361" (solid, remove dead copper, pour order 361): 60.646,60.854 61.281,61.489 73.063,61.489 73.067,62.193 73.063,63.209 74.591,63.209 74.591,59.647 89.831,59.647 89.729,32.025 89.729,21.738 64.837,21.738 64.837,39.735 68.241,39.735 68.241,45.937 66.971,45.937 66.971,47.969 66.971,48.731 60.519,48.731 60.519,60.981
+5V on Layer 2 "Layer 2-+5V" (solid, pour order 87): 50.277,69.885 50.277,66.765 76.185,66.765 76.185,64.293 78.42,64.293 78.42,59.793 94.051,59.856 94.051,20.486 82.638,20.486 82.638,21.612 81.622,21.612 81.622,19.834 82.113,19.834 82.113,13.374 99.883,13.374 99.883,66.155 79.407,66.155 75.677,69.885
+3.3V_EXT on Layer 2 "NONET_L-01_P-001" (solid, pour order 287): 22.86,46.482 39.116,46.482 39.116,43.688 25.146,43.688 16.789,35.331 11.684,35.331 11.684,39.065 15.443,39.065
+3.3V_EXT on Layer 2 "Layer 2-+3.3V_EXT" (solid, remove dead copper, pour order 313): 58.535,39.772 66.107,39.772 66.107,41.804 58.161,41.804 58.161,50.514 57.577,50.514 57.598,59.203 50.359,59.203 50.359,34.819 58.535,34.819
GND on Layer 2 "GND_L03_P289" (solid, pour order 289): 68.502,50.966 71.191,53.655 71.191,56.652 63.774,56.652 61.285,56.652 61.285,51.521 61.84,50.966
GND on Layer 2 "GND_L03_P357" (solid, pour order 357): 55.439,60.6 58.233,60.6 58.487,60.346 58.487,58.822 58.741,58.568 58.741,50.44 57.217,50.44 57.217,50.821 57.217,52.218 57.598,52.599 57.598,59.203 55.439,59.203
GND on Layer 2 "GND_L03_P334" (solid, pour order 334): 69.871,49.696 69.871,44.938 80.839,44.938 80.839,49.696
GND on Layer 2 "NONET_L-01_P-001" (solid, pour order 218): 75.708,34.283 80.788,34.283 80.788,26.917 78.124,26.913 76.474,28.564 76.47,31.743 75.708,32.505
VDD_1V8_HDMI on Layer 2 "VDD_1V8_HDMI_L03_P302" (solid, pour order 302): 72.969,35.218 72.969,33.089 73.731,33.089 73.731,34.456 80.558,34.485 80.558,32.961 80.575,32.211 81.632,32.211 83.928,32.211 83.928,33.464 81.87,33.474 81.87,35.218 79.319,35.218 79.319,43.346 77.795,43.346 77.795,35.218 76.271,35.218
GND on Layer 2 "GND_L03_P332" (solid, pour order 332): 81.093,35.835 85.157,35.835 86.554,34.438 91.44,34.438 91.44,42.947 88.586,42.947 86.427,42.947 85.665,42.185 84.268,40.788 81.093,40.788
GND on Layer 2 "NONET_L-01_P-001" (solid, pour order 282): 70.684,41.534 75.383,41.534 75.383,35.311 70.684,35.311
CHASIS on Layer 2 "CHASIS_L03_P394" (solid, pour order 394): 66.98,7.874 69.012,7.874 69.012,5.08 66.98,5.08
GND on Layer 2 "GND_L03_P291" (solid, pour order 291): 50.363,31.916 52.649,31.916 52.649,40.806 56.713,40.806 56.713,42.33 50.363,42.33
+5V on Bottom Layer "Bottom Layer-+5V" (solid, remove dead copper, pour order 340): 27.889,7.137 27.889,2.591 28.041,2.438 29.997,2.438 30.455,2.895 68.921,2.895 71.979,5.952 71.979,16.959 81.59,16.959 82.352,16.959 84.623,16.959 84.623,13.563 78.299,13.563 78.299,0 25.325,0 25.325,7.366 27.661,7.366
+VBUS_USB on Bottom Layer "NONET_L-01_P-001" (solid, remove dead copper, pour order 417): 38.964,7.137 38.659,7.442 31.191,7.442 31.191,5.588 47.244,5.588 47.244,9.017 44.12,9.017 44.12,7.137
GND on Bottom Layer "GND_L04_P406" (solid, remove dead copper, pour order 406): 0,72.023 100.579,72.023 100.579,-0.113 0,-0.113
+5V on Bottom Layer "+5V_L04_P277" (solid, remove dead copper, pour order 277): 7.306,12.9 10.734,12.9 10.745,33.205 13.52,35.98 22.292,35.98 22.292,43.709 7.333,43.709 7.306,28.469 7.306,26.522
+1.8V_VDD on Bottom Layer "+1.8V_VDD_L04_P146" (solid, pour order 146): 67.596,35.172 68.358,35.172 68.358,32.378 66.58,32.378 66.58,33.648 67.596,33.648
NetC305_1 on Bottom Layer "NONET_L-01_P-001" (solid, remove dead copper, pour order 410): 24.079,29.616 23.8,29.896 23.368,29.896 23.368,30.531 24.892,30.531 25.044,30.683 27.28,30.683 27.28,28.88 25.197,28.88 24.892,28.575 24.892,27.813 24.079,27.813
NetC304_1 on Bottom Layer "NONET_L-01_P-001" (solid, remove dead copper, pour order 409): 20.726,26.924 22.352,26.924 23.266,27.838 23.266,29.634 23.19,29.71 23.19,30.531 22.631,30.531 22.631,29.794 22.479,29.642 22.479,28.55 22.327,28.397 21.031,28.397 20.726,28.092
+3.3V_VDD on Bottom Layer "Bottom Layer-+3.3V_VDD" (solid, pour order 399): 84.506,23.539 84.506,23.749 84.557,23.8 85.268,23.8 85.395,23.673 85.395,23.539 89.516,23.539 89.516,24.359 84.124,24.359 83.16,24.359 83.16,23.8 83.928,23.8 83.928,23.539
VDD_SD_CARD on Bottom Layer "Bottom Layer-VDD_SD_CARD" (solid, pour order 50): 61.214,16.764 61.812,16.764 61.812,15.543 62.701,15.543 62.701,16.051 63.463,16.051 63.463,15.797 65.532,15.748 66.791,15.643 67.398,15.643 68.795,15.643 69.083,15.279 69.82,15.279 69.82,14.263 70.836,14.263 70.836,16.295 68.668,16.278 68.541,16.405 67.652,16.405 67.652,17.04 67.4,17.04 65.114,17.04 65.114,16.813 62.701,16.813 62.701,17.321 61.939,18.083 57.621,18.083 56.478,18.083 56.478,16.94 56.605,16.813 56.605,16.178 59.653,16.178 59.653,17.194 60.415,17.194 60.415,15.416 60.034,15.416 60.034,12.798 61.214,12.798
NetC216_1 on Bottom Layer "NETC216_1_L04_P080" (solid, pour order 80): 14.423,58.049 14.423,55.89 22.805,55.89 22.805,55.377 23.694,55.377 23.694,58.933 22.805,58.933 22.805,58.049
+5V on Bottom Layer "+5V_L04_P355" (solid, pour order 355): 25.467,52.93 25.467,51.787 26.636,51.787 29.916,55.067 29.916,60.589 26.182,60.589 26.182,55.213 27.503,55.213 27.503,54.197 26.106,54.197 26.106,52.93
NetC1103_1 on Bottom Layer "NETC1103_1_L04_P032" (solid, pour order 32): 3.217,19.267 3.217,14.695 5.757,14.695 5.757,16.473 7.281,16.473 7.281,14.441 6.265,14.441 6.265,13.425 0.423,13.425 0.423,19.267
NetC207_2 on Bottom Layer "NETC207_2_L04_P408" (solid, pour order 408): 64.917,18.552 65.679,18.552 65.679,17.282 64.917,17.282
NetC207_1 on Bottom Layer "NETC207_1_L04_P040" (solid, pour order 40): 63.266,24.14 63.774,24.14 63.774,23.505 64.155,23.124 64.155,21.473 63.52,21.473 63.52,22.997 63.266,22.997
NetC216_1 on Bottom Layer "NETC216_1_L04_P278" (solid, pour order 278): 22.773,56.837 22.773,60.52 25.42,60.52 25.42,58.869 23.789,58.869 23.789,56.837
+VBUS_USB1_OTG on Bottom Layer "Bottom Layer-+VBUS_USB1_OTG" (solid, pour order 405): 14.312,1.292 17.36,1.292 17.36,4.848 18.63,4.848 18.63,6.372 17.614,6.372 17.614,5.864 15.836,5.864 15.836,3.578 16.598,3.578 16.598,2.308 14.312,2.308
NetD801_K on Bottom Layer "NETD801_K_L04_P397" (solid, pour order 397): 87.21,11.96 87.21,16.278 91.528,16.278 91.528,11.96 89.75,11.96 89.75,14.5 88.988,14.5 88.988,11.96
+VIN_USB on Bottom Layer "+VIN_USB_L04_P043" (solid, pour order 43): 99.148,19.834 99.148,17.548 95.084,17.548 95.084,13.992 93.814,12.722 93.814,7.134 91.528,7.134 91.528,9.166 91.528,19.834
+5V on Bottom Layer "+5V_L04_P401" (solid, pour order 401): 17.36,4.848 17.36,2.816 18.884,2.816 18.884,4.848
NetC201_1 on Bottom Layer "NETC201_1_L04_P060" (solid, pour order 60): 61.722,24.13 62.23,24.13 62.23,23.241 63.373,23.241 63.373,23.114 63.627,22.86 63.627,21.971 61.976,21.971 61.849,21.844 61.849,21.082 60.706,21.082 60.706,22.352 61.722,22.352
+3.3V_EXT on Bottom Layer "+3.3V_EXT_L04_P360" (solid, pour order 360): 53.28,59.28 57.624,59.28 57.624,58.619 53.28,58.619
+3.3V_EXT on Bottom Layer "+3.3V_EXT_L04_P363" (solid, pour order 363): 53.28,47.392 56.963,47.392 56.963,46.503 53.28,46.503
NetC1317_1 on Bottom Layer "NETC1317_1_L04_P136" (solid, pour order 136): 37.782,43.006 37.782,41.441 37.94,41.279 38.925,41.279 38.925,40.517 37.02,40.517 37.02,43.006
+1.8V_VDD on Bottom Layer "+1.8V_VDD_L04_P170" (solid, pour order 170): 85.376,44.443 85.376,43.427 87.397,43.427 87.397,44.443
+1.8V_VDD on Bottom Layer "+1.8V_VDD_L04_P154" (solid, pour order 154): 67.596,38.728 67.596,37.585 69.882,37.585 69.882,38.474 69.628,38.728 69.628,39.49 68.993,39.49 68.993,38.728
VCCA_1V8 on Bottom Layer "VCCA_1V8_L04_P145" (solid, pour order 145): 84.207,43.046 84.233,43.021 86.315,43.021 86.315,42.208 84.893,42.208 84.385,41.7 82.622,41.7 82.622,43.046
NetC1310_1 on Bottom Layer "NETC1310_1_L04_P122" (solid, pour order 122): 29.501,42.934 29.501,41.99 31.483,41.99 31.483,42.753 32.651,42.753 32.651,44.149 31.428,44.149 31.428,43.133 29.501,43.133
NetC206_1 on Bottom Layer "NETC206_1_L04_P081" (solid, pour order 81): 62.465,29.55 62.465,29.042 62.287,29.042 62.16,28.915 62.16,28.153 61.779,28.153 61.779,29.55
+3.3V_EXT on Bottom Layer "+3.3V_EXT_L04_P330" (solid, pour order 330): 61.214,50.717 61.214,49.955 62.338,49.955 62.592,50.209 66.91,50.209 67.926,49.193 75.038,49.193 76.054,50.209 79.864,50.209 79.864,51.479 79.102,51.479 78.34,50.717 74.784,50.717 65.132,50.717
VCCA_HDMIPLL on Bottom Layer "Bottom Layer-VCCA_HDMIPLL" (solid, pour order 395): 74.463,34.73 75.733,34.73 75.755,34.751 75.755,35.132 74.112,35.132 73.685,35.56 70.129,35.56 69.881,35.807 69.881,36.441 68.739,36.442 68.739,34.271 71.025,34.271 71.025,34.156 72.041,34.156 72.041,35.045 73.469,35.045 73.469,34.624 73.596,34.624 73.596,34.37 74.158,34.37 74.158,34.624 74.358,34.624
NetC1307_2 on Bottom Layer "NETC1307_2_L04_P083" (solid, pour order 83): 29.908,50.753 29.908,50.118 29.146,50.118 29.146,49.356 31.813,49.356 31.813,49.991 31.051,49.991 30.67,50.118 30.67,50.372 30.67,50.753
NetR1329_1 on Bottom Layer "NETR1329_1_L04_P084" (solid, pour order 84): 31.94,46.308 31.94,45.546 30.67,45.546 30.67,44.657 29.908,44.657 29.908,45.419 29.146,45.419 29.146,46.308
NetC1309_1 on Bottom Layer "NETC1309_1_L04_P088" (solid, pour order 88): 21.53,44.471 25.467,44.471 25.467,43.201 22.292,43.201 22.292,43.582 21.53,43.582
NetC1308_2 on Bottom Layer "NETC1308_2_L04_P120" (solid, pour order 120): 32.6,42.575 32.6,41.609 29.146,41.609 29.146,44.175 31.33,44.175 31.33,43.228 29.501,43.228 29.501,41.99 31.483,41.99 31.483,42.575
+1.8V_VDD on Bottom Layer "+1.8V_VDD_L04_P182" (solid, pour order 182): 85.63,34.537 87.535,34.537 87.535,32.886 86.646,32.886 86.519,32.759 86.519,32.378 85.63,32.378
VDD_1V8_HDMI on Bottom Layer "Bottom Layer-VDD_1V8_HDMI 1" (solid, pour order 337): 74.358,33.735 75.12,33.735 75.755,34.371 75.755,34.625 74.358,34.625 74.358,34.624 74.358,34.37 73.596,34.37 73.596,33.862 73.596,33.493 73.141,33.493 73.107,33.459 73.111,33.178 73.201,33.09 74.231,33.09 74.231,33.608
+5V on Bottom Layer "+5V_L04_P248" (solid, pour order 248): 88.68,29.231 88.68,30.247 91.093,30.247 91.093,29.231
+3.3V_VDD on Bottom Layer "+3.3V_VDD_L04_P324" (solid, pour order 324): 76.308,62.655 76.308,60.115 74.53,60.115 74.53,62.655
+5V on Bottom Layer "+5V_L04_P191" (solid, pour order 191): 78.543,62.062 80.067,62.062 80.067,59.418 78.543,59.418 78.543,61.605
+3.3V_EXT on Bottom Layer "+3.3V_EXT_L04_P365" (solid, pour order 365): 57.471,36.089 57.471,35.454 52.772,35.454 52.772,36.089
PGND on Bottom Layer "PGND_L04_P331" (solid, pour order 331): 14.459,60.242 14.459,57.934 22.186,57.934 22.186,60.242 20.428,60.242
+1.8V_VDD on Bottom Layer "+1.8V_VDD_L04_P325" (solid, pour order 325): 73.26,62.655 73.26,60.115 74.53,60.115 74.53,62.655
+1.8V_VDD on Bottom Layer "+1.8V_VDD_L04_P241" (solid, pour order 241): 90.481,29.194 90.481,28.178 88.068,28.178 88.068,29.194
3V3_CON on Bottom Layer "3V3_CON_L04_P269" (solid, pour order 269): 88.68,30.231 88.68,31.247 91.093,31.247 91.093,30.231
+3.3V_EXT on Bottom Layer "+3.3V_EXT_L04_P234" (solid, pour order 234): 62.541,41.259 66.742,41.259 66.742,39.735 61.525,39.735 61.525,41.259
NetC1308_1 on Bottom Layer "NETC1308_1_L04_P114" (solid, pour order 114): 29.527,41.609 29.527,40.471 32.575,40.47 32.575,41.228 31.559,41.228 31.559,41.609
NetC1311_2 on Bottom Layer "NETC1311_2_L04_P097" (solid, pour order 97): 29.527,40.289 32.549,40.289 32.549,39.45 29.527,39.45
NetC1311_1 on Bottom Layer "NETC1311_1_L04_P090" (solid, pour order 90): 29.527,39.019 32.549,39.019 32.549,38.18 29.527,38.18
NetC1312_1 on Bottom Layer "NETC1312_1_L04_P085" (solid, pour order 85): 29.527,37.926 32.575,37.926 32.575,36.656 29.527,36.656
NetC1302_2 on Bottom Layer "NETC1302_2_L04_P082" (solid, pour order 82): 22.669,49.61 23.431,49.61 23.431,48.975 23.558,48.848 25.336,48.848 25.336,48.086 22.669,48.086
GND on Layer 1 "GND_L02_P263" (solid, remove dead copper, pour order 263): 0.002,71.993 100.332,71.993 100.332,-0.143 0.002,-0.143
+5V on Layer 1 "NONET_L-01_P-001" (solid, remove dead copper, pour order 415): 22.149,2.667 24.206,2.667 25.197,1.676 31.318,1.676 31.75,2.108 31.75,5.08 29.261,7.569 23.419,7.569 13.208,17.78 8.407,17.78 8.255,17.628 8.255,15.316 9.449,14.122 10.973,14.122 16.993,8.103 16.993,4.166 18.491,2.667

## Keep-outs
Keep-Out Layer:
  the board outline again, w0.025

## Other copper
Top Layer:
  rectangle net NetL302_1: 12.624,32.868 14.63,34.519
  rectangle net DVDDRG: 14.173,29.185 15.088,29.667
  region net GND: 25.297,45.921 25.297,47.064 22.249,47.064 22.249,45.921
  rectangle net GND: 16.815,53.87 18.63,56.109
  region net GND: 39.839,47.012 39.839,49.679 35.14,49.679 35.14,47.012
  region net NetL804_1: 29.943,45.696 29.943,47.093 27.393,47.093 27.393,45.696
  region net GND: 24.345,43.075 24.345,44.218 21.297,44.218 21.297,43.075
  region net +5V: 24.218,44.345 24.218,45.742 20.916,45.742 20.916,44.345
  rectangle net GND: 35.14,42.313 36.41,43.964
  rectangle net NetC804_1: 33.743,41.805 34.886,43.964
  rectangle net GND: 95.467,15.085 98.693,17.473
  pour cut-out: 27.849,45.488 27.849,42.021 27.976,42.021 27.976,45.488
  pour cut-out: 40.025,63.129 40.025,63.256 42.565,63.256 42.565,63.129
  pour cut-out: 48.153,59.573 48.28,59.573 48.28,54.747 48.153,54.747
  pour cut-out: 50.185,71.511 50.312,71.511 50.312,66.304 50.185,66.304
  region net GND: 95.301,6.626 95.301,4.086 94.068,4.086 94.068,6.626
  region net GND: 90.004,6.118 90.004,3.15 88.722,3.15 88.722,6.118
  pour cut-out: 59.778,16.659 59.778,17.167 60.286,17.167 60.286,16.659
  region net GND: 41.414,64.995 41.998,64.411 41.998,63.268 39.966,63.268 39.966,64.157 40.22,64.157 40.22,64.995
  pour cut-out: 21.17,43.202 21.17,41.424 21.297,41.424 21.297,43.202
  region net NetC804_1: 34.866,46.452 36.771,46.452 36.771,45.361 34.866,45.361
  region net +3.3V_EXT: 35.14,45.234 37.045,45.234 37.045,44.091 35.14,44.091
  pour cut-out: 58.762,59.331 84.797,59.331 84.836,51.562 83.82,51.562 83.82,50.038 84.836,50.038 84.797,30.502 58.762,30.502
  pour cut-out: 84.145,47.593 87.447,47.593 87.447,45.307 84.145,45.307
  pour cut-out: 86.685,44.799 89.987,44.799 89.987,42.513 86.685,42.513
Layer 1:
  rectangle net GND: 95.467,15.085 98.693,17.473
Layer 2:
  rectangle net DVDDRG: 14.173,29.185 15.062,29.616
Bottom Layer:
  rectangle net CHASIS: 67.31,5.512 68.224,7.493
  rectangle net +3.3V_VDD: 10.871,22.276 11.43,23.343
  rectangle net DVDDRG: 14.173,29.185 15.062,29.642
  rectangle net NetC1103_1: 6.011,15.076 7.154,16.346
  rectangle net +5V: 7.306,15.247 8.655,17.192
  rectangle net GND: 74.046,47.379 77.221,48.522
  rectangle net GND: 61.429,41.424 64.731,42.948
  rectangle net GND: 61.429,47.798 64.604,48.509
  rectangle net GND: 53.468,57.798 57.405,58.509
  rectangle net GND: 53.9,36.198 56.872,36.909
  rectangle net GND: 53.9,40.198 56.872,40.909
  rectangle net GND: 54.357,48.998 55.881,50.141
  rectangle net GND: 53.9,45.798 56.872,46.509
  rectangle net GND: 53.9,42.598 56.872,43.309
  rectangle net GND: 95.467,15.085 98.693,17.473
  region net GND: 61.468,46.228 62.23,46.228 62.23,45.974 64.77,45.974 64.77,44.704 62.23,44.704 62.23,42.926 61.468,42.926
  pour cut-out: 62.454,55.638 65.756,55.638 66.01,55.892 67.534,55.892 67.534,56.654 68.804,56.654 68.804,54.876 66.264,54.876 65.502,54.114 62.454,54.114
  pour cut-out: 61.184,47.764 67.28,47.764 67.28,46.24 68.296,45.224 68.55,45.224 68.55,42.684 61.184,42.684
  region net GND: 77.939,50.06 80.098,50.06 80.098,50.314 80.987,50.314 80.987,48.663 77.939,48.663
Multi-Layer:
  pour cut-out: 3.2,65.8 cw(c3.2,68.8) 0.2,68.8 cw(c3.2,68.8) 3.2,71.8 cw(c3.2,68.8) 6.2,68.8 cw(c3.2,68.8)
  pour cut-out: 96.846,65.8 cw(c96.846,68.8) 93.846,68.8 cw(c96.846,68.8) 96.846,71.8 cw(c96.846,68.8) 99.846,68.8 cw(c96.846,68.8)
  pour cut-out: 96.846,7.8 cw(c96.846,10.8) 93.846,10.8 cw(c96.846,10.8) 96.846,13.8 cw(c96.846,10.8) 99.846,10.8 cw(c96.846,10.8)
  pour cut-out: 3.2,7.8 cw(c3.2,10.8) 0.2,10.8 cw(c3.2,10.8) 3.2,13.8 cw(c3.2,10.8) 6.2,10.8 cw(c3.2,10.8)
  pour cut-out: 3.505,6.909 4.064,7.468 5.588,7.468 5.588,5.283 5.004,5.283 4.801,5.486 3.81,5.486 3.505,5.792
  pour cut-out: 0.813,7.595 0.813,5.283 2.896,5.283 2.896,7.595